# Altium PCB PCB_3U_DAC_no_BNC.PCBDOC (part 1 of 7)
Units mm, origin at the board's own origin, x right, y up, seen from the top; angles counter-clockwise.
Board outline 160 x 100 mm, 4 copper layers (TopLayer, Internal Plane 2, Signal Layer 1, BottomLayer), stack 1.563 mm thick; 706 components, 563 nets, 2139 pads, 736 vias.
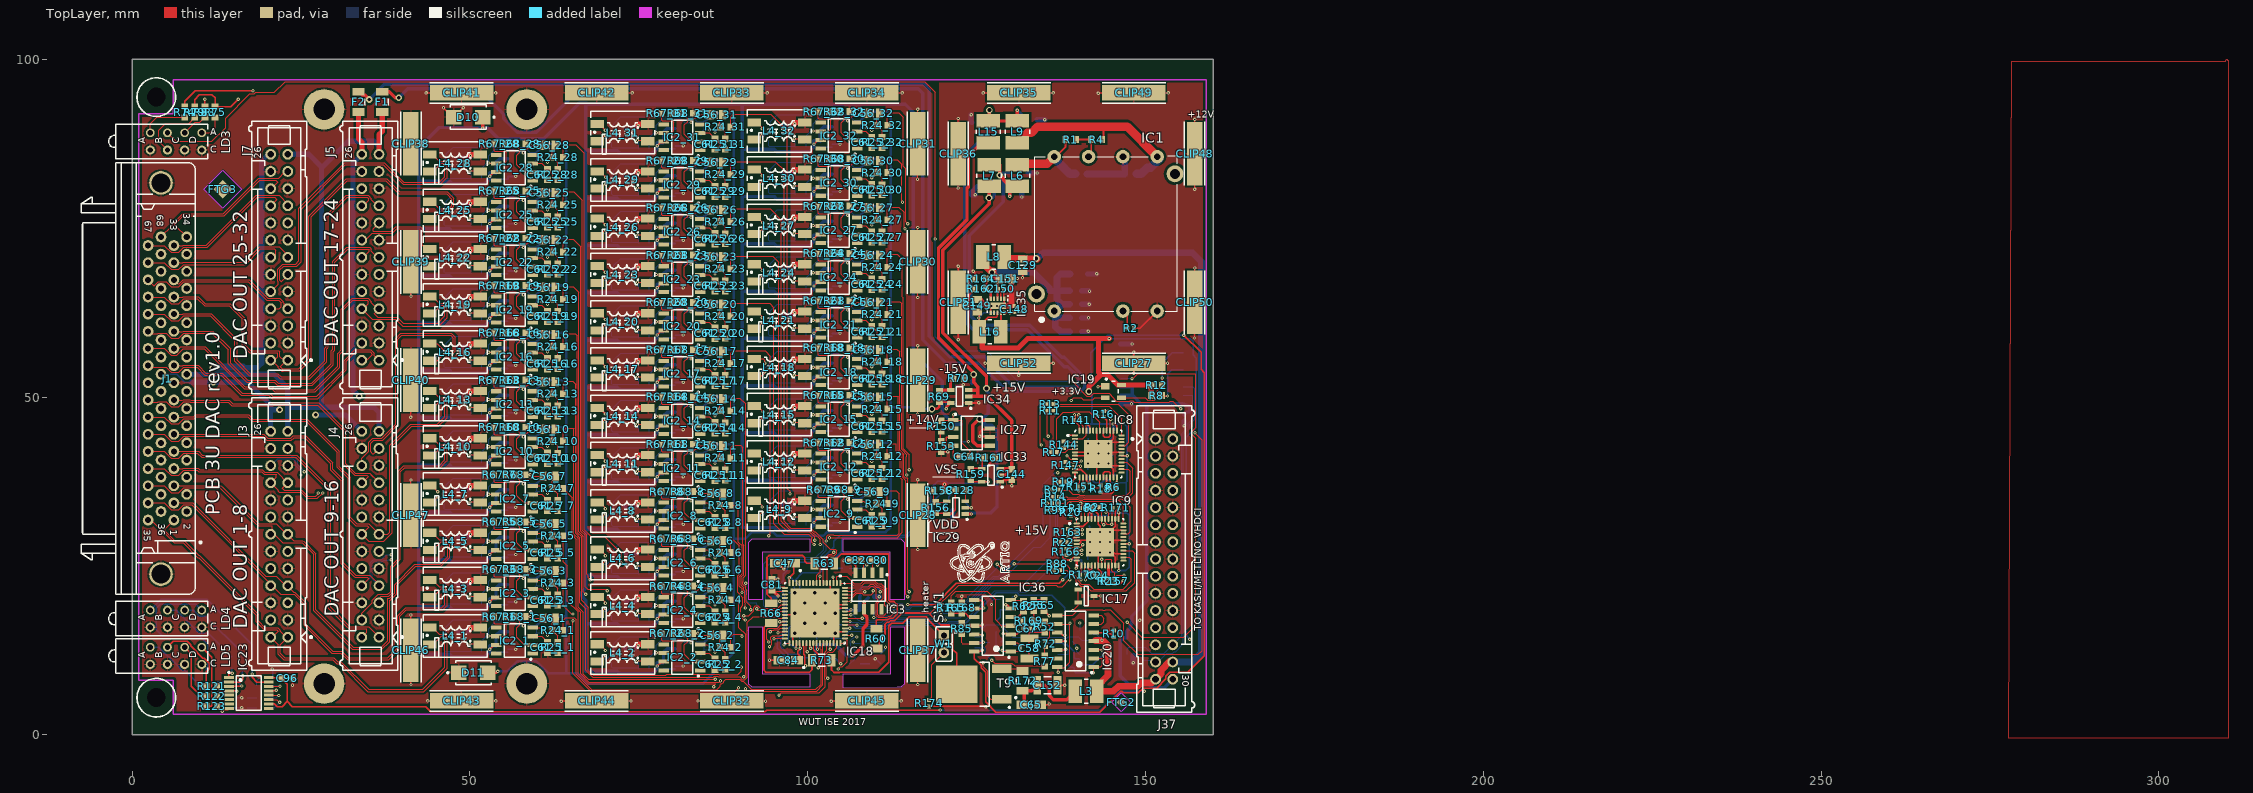
[diagram p0: TopLayer view]
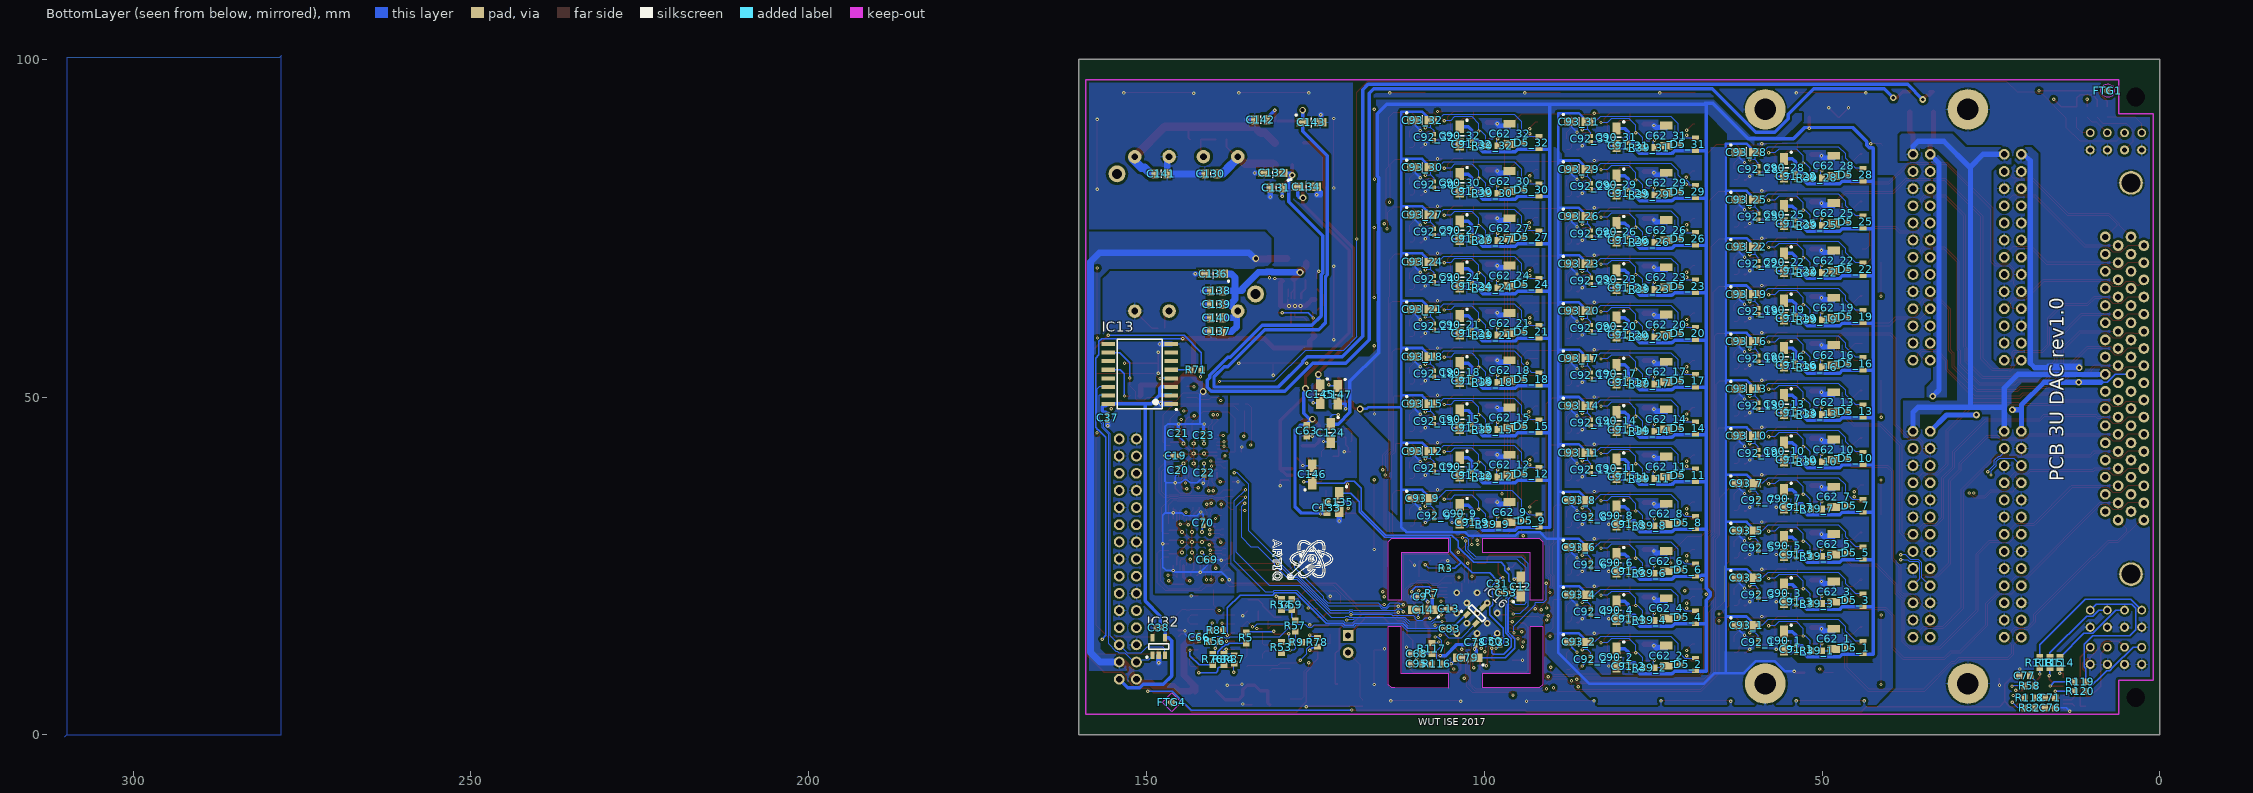
[diagram p1: BottomLayer view, seen from below]
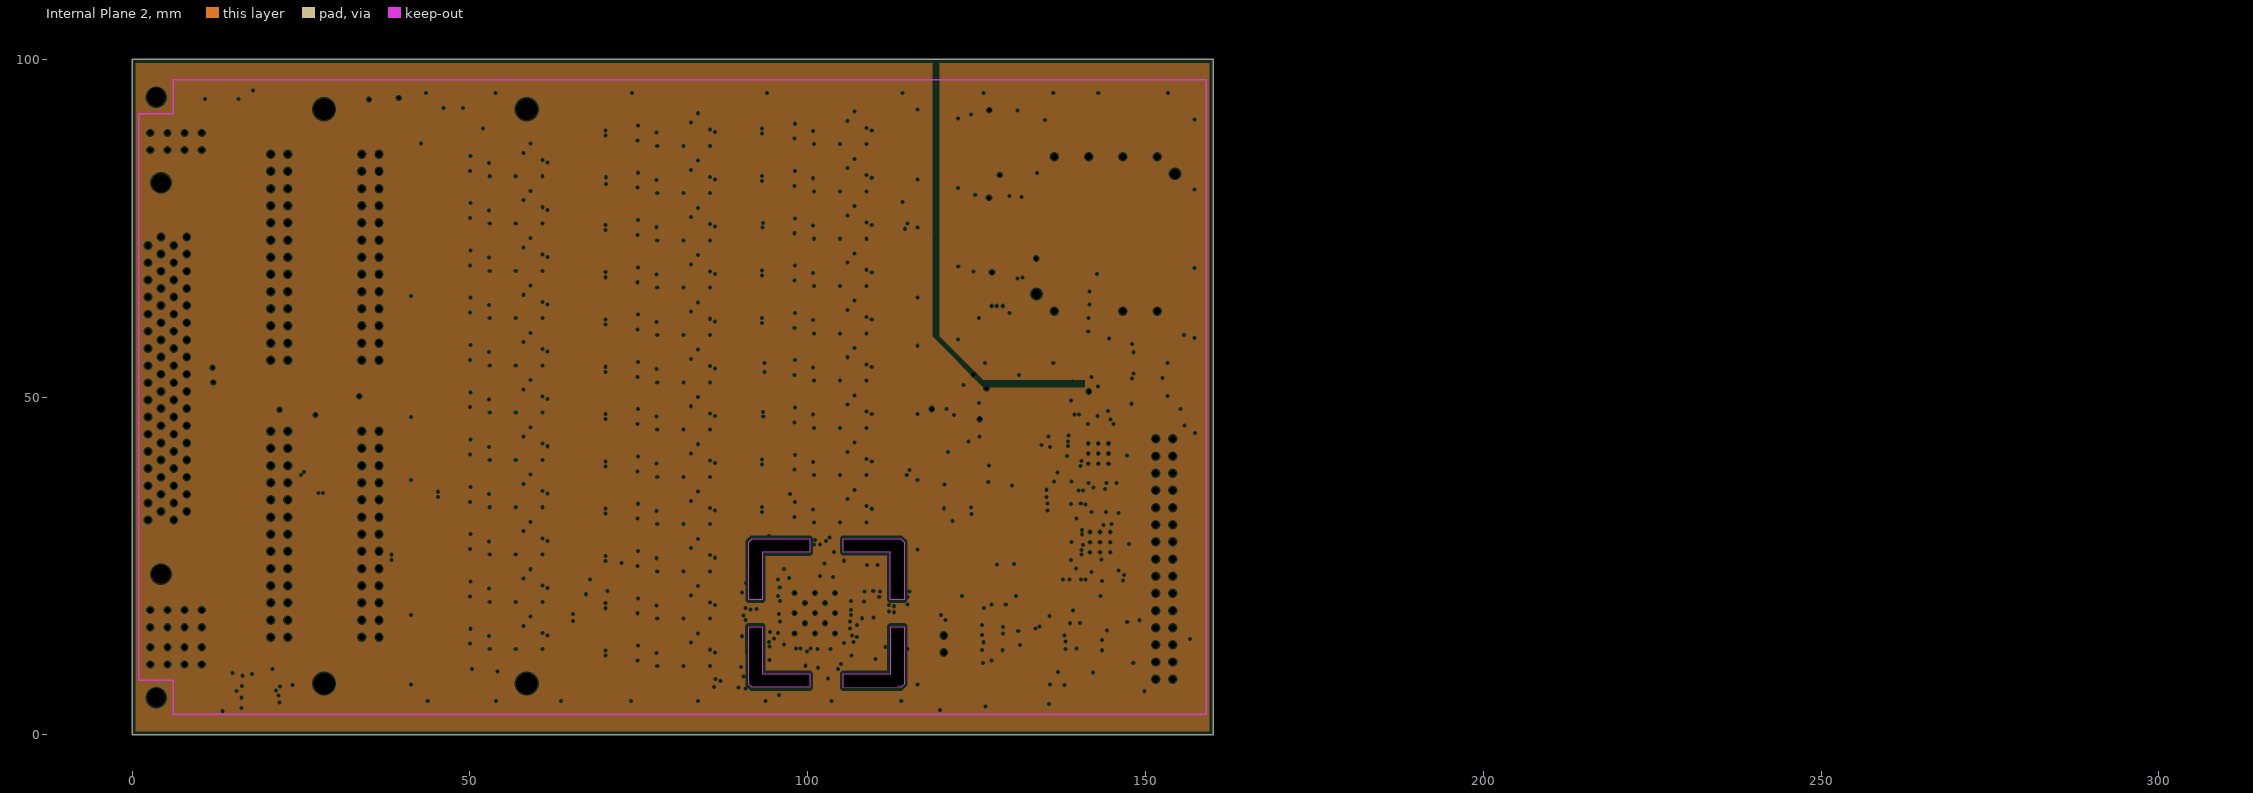
[diagram p2: Internal Plane 2, clearances drawn from the general rule]
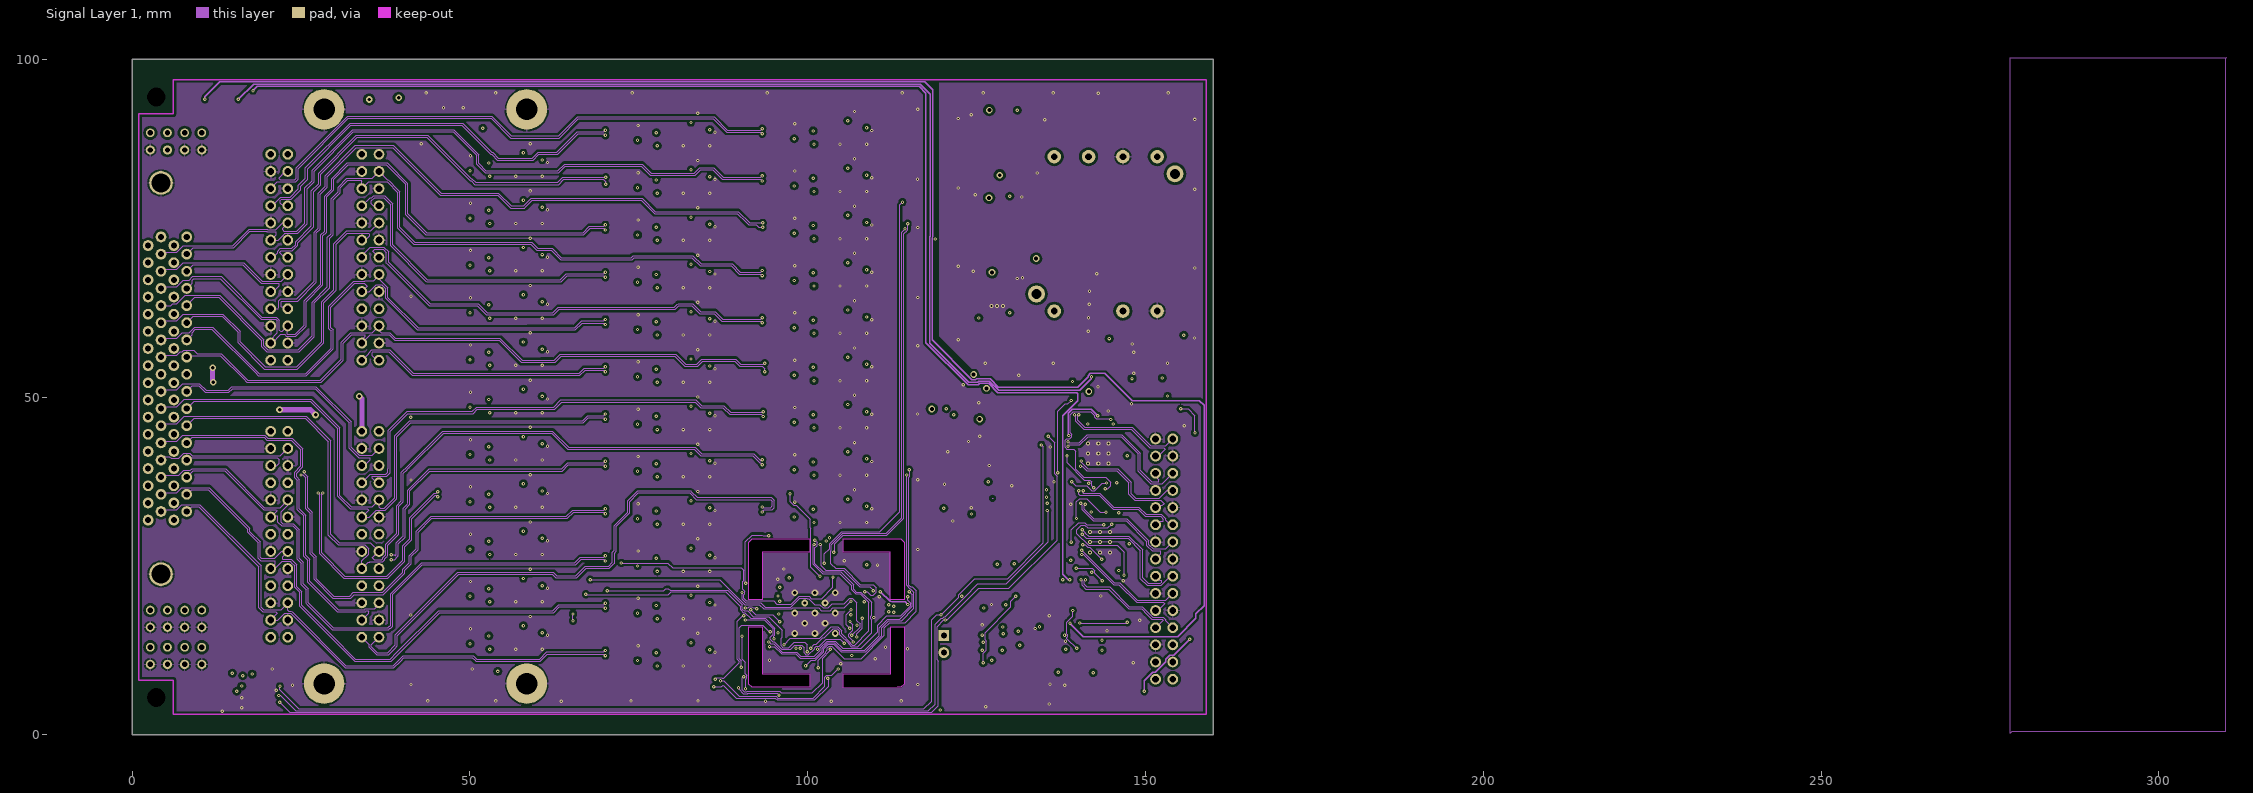
[diagram p3: Signal Layer 1]
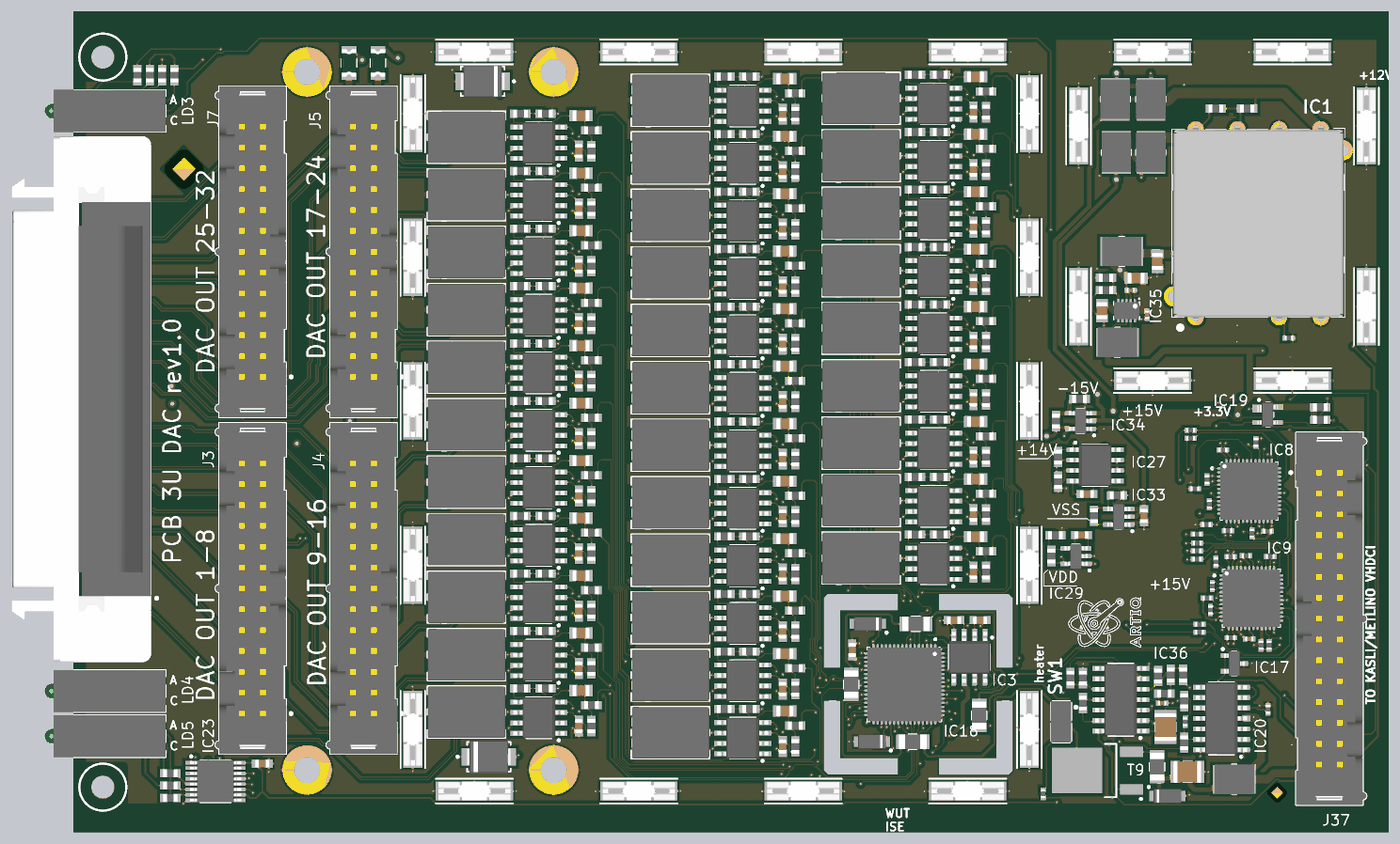
[diagram p10: 3D render of the assembled board from above, using the file's embedded part models]
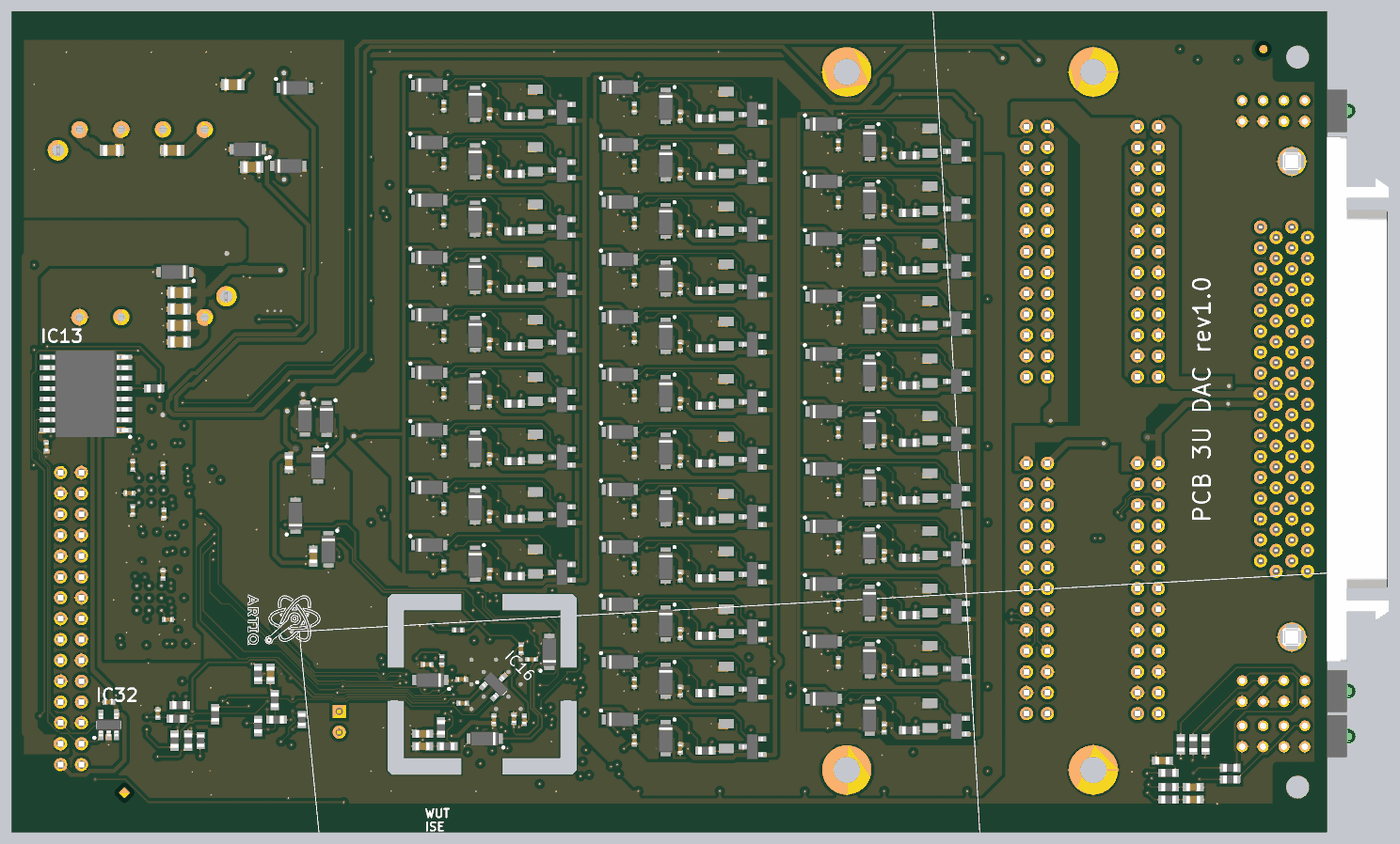
[diagram p11: 3D render of the assembled board from below, using the file's embedded part models]

## Layer stack, top to bottom
TopSolder: solder mask 0.0102, Solder Resist, Dk 3.5
TopLayer: signal copper 0.0356
Dielectric1: core 0.36, FR-4, Dk 4.8
Internal Plane 2: plane copper 0.036, net GNDP_2
Dielectric 3: prepreg 0.7, Dk 4.2
Signal Layer 1: signal copper 0.036
Dielectric 5: core 0.36, Dk 4.2
BottomLayer: signal copper 0.0356
BottomSolder: solder mask 0.0102, Solder Resist, Dk 3.5

## Board outline
0,0 159.989,0 159.995,0.005 159.995,50 160,50.005 160,100 159.995,100 0,100
cut-out: 100.263,27.021 93.263,27.021 93.263,20.021 91.263,20.021 91.263,28.031 91.263,28.531 91.763,29.031 92.263,29.031 100.263,29.042
cut-out: 112.247,20.031 112.247,27.031 105.247,27.031 105.247,29.031 113.257,29.031 113.757,29.031 114.257,28.531 114.257,28.031 114.268,20.031
cut-out: 105.263,9.031 112.263,9.031 112.263,16.031 114.263,16.031 114.263,8.021 114.263,7.521 113.763,7.021 113.263,7.021 105.263,7.01
cut-out: 93.273,16.031 93.273,9.031 100.273,9.031 100.273,7.031 92.263,7.031 91.763,7.031 91.263,7.531 91.263,8.031 91.252,16.031

## Design rules (kind name [scope] priority, off if disabled: settings)
Clearance Clearance_DIFF [(InDifferentialPairClass('All Differential Pairs')and IsTrack ) vs (InDifferentialPairClass('All Differential Pairs') and IsTrack  )] p1 off: gap=0.508 except(0.127: SMDPad-SMDPad SMDPad-THPad SMDPad-Via SMDPad-Fill SMDPad-Poly SMDPad-Region SMDPad-Text THPad-THPad THPad-Via THPad-Fill THPad-Poly THPad-Region THPad-Text Via-Via Via-Fill Via-Poly Via-Region Via-Text)
Clearance [All] p2: gap=0.127 except(0.381: Arc-Poly Track-Poly SMDPad-Poly THPad-Poly Via-Poly Fill-Poly Poly-Poly)
ComponentClearance [All] p1: gap=0 collisioncheckmode=3 verticalgap=2540 showdistances=FALSE
DiffPairsRouting [All] p1: maxlimit=0.152 minlimit=0.127 mostfreqgap=0.152 toplayer_minwidth=0.127 toplayer_maxwidth=0.152 toplayer_prefwidth=0.152 midlayer1_minwidth=0.127 midlayer1_maxwidth=0.152 midlayer1_prefwidth=0.152 bottomlayer_minwidth=0.127 bottomlayer_maxwidth=0.152 bottomlayer_prefwidth=0.152 maxuncoupledlength=12.7
FabricationTestPointUsage TestPointUsage [All] p1: valid=0 allowmultiple=FALSE
FabricationTestpoint Testpoint [All] p1: side=3 testpointundercomponent=TRUE minsize=1.016 maxsize=2.54 preferedsize=1.524 minholesize=0.508 maxholesize=1.016 preferedholesize=0.813 testpointgrid=0.025 allowsidetop=TRUE allowsidebottom=TRUE usegrid=TRUE gridtolerance=0
Height [All] p1: minheight=0 maxheight=40 prefheight=40
HoleSize [All] p1: absolutevalues=TRUE maxlimit=3.81 minlimit=0.025 maxpercent=80.000 minpercent=20.000
HoleToHoleClearance [All] p1: gap=0.025 allowstackedmicrovias=TRUE
MinimumSolderMaskSliver [All] p1: minsoldermaskwidth=0
PlaneClearance [All] p1: clearance=0.2
PlaneConnect [All] p1: planeconnectstyle=Direct reliefexpansion=0.508 reliefentries=4 reliefconductorwidth=0.254 reliefairgap=0.254
PolygonConnect PolygonConnect_pad [(InPadClass('All Pads'))] p1: connectstyle=Relief reliefconductorwidth=0.254 reliefentries=4 polygonreliefangle="90 Angle" airgapwidth=0.254
PolygonConnect [All] p2: connectstyle=Direct reliefconductorwidth=0.254 reliefentries=4 polygonreliefangle="45 Angle" airgapwidth=0.254
RoomDefinition U_Supply_DAC [InComponentClass('U_Supply_DAC')] p1 off: confinementstyle=ConfineIn formatcopy=TRUE lockcomponents=FALSE outline 162.5,56.5 124,56.5 124,1.5 162.5,1.5
RoomDefinition U_LVDS_IFC_DAC [InComponentClass('U_LVDS_IFC_DAC')] p2 off: confinementstyle=ConfineIn formatcopy=TRUE lockcomponents=FALSE outline 123,2 160,2 160,53 123,53
RoomDefinition U_Output_channel1 [InComponentClass('U_Output_channel1')] p3 off: confinementstyle=ConfineIn formatcopy=TRUE lockcomponents=FALSE outline 42.763,11.206 64.963,11.206 64.963,18.206 42.763,18.206
RoomDefinition U_Output_channel2 [InComponentClass('U_Output_channel2')] p4 off: confinementstyle=ConfineIn formatcopy=TRUE lockcomponents=FALSE outline 67.563,8.706 89.763,8.706 89.763,15.706 67.563,15.706
RoomDefinition U_Output_channel3 [InComponentClass('U_Output_channel3')] p5 off: confinementstyle=ConfineIn formatcopy=TRUE lockcomponents=FALSE outline 42.763,18.206 64.963,18.206 64.963,25.206 42.763,25.206
RoomDefinition U_Output_channel4 [InComponentClass('U_Output_channel4')] p6 off: confinementstyle=ConfineIn formatcopy=TRUE lockcomponents=FALSE outline 67.563,15.706 89.763,15.706 89.763,22.706 67.563,22.706
RoomDefinition U_Output_channel5 [InComponentClass('U_Output_channel5')] p7 off: confinementstyle=ConfineIn formatcopy=TRUE lockcomponents=FALSE outline 42.763,25.206 64.963,25.206 64.963,32.206 42.763,32.206
RoomDefinition U_Output_channel6 [InComponentClass('U_Output_channel6')] p8 off: confinementstyle=ConfineIn formatcopy=TRUE lockcomponents=FALSE outline 67.563,22.706 89.763,22.706 89.763,29.706 67.563,29.706
RoomDefinition U_Output_channel7 [InComponentClass('U_Output_channel7')] p9 off: confinementstyle=ConfineIn formatcopy=TRUE lockcomponents=FALSE outline 42.763,32.206 64.963,32.206 64.963,39.206 42.763,39.206
RoomDefinition U_Output_channel8 [InComponentClass('U_Output_channel8')] p10 off: confinementstyle=ConfineIn formatcopy=TRUE lockcomponents=FALSE outline 67.563,29.706 89.763,29.706 89.763,36.706 67.563,36.706
RoomDefinition U_Output_channel9 [InComponentClass('U_Output_channel9')] p11 off: confinementstyle=ConfineIn formatcopy=TRUE lockcomponents=FALSE outline 90.763,29.956 112.963,29.956 112.963,36.956 90.763,36.956
RoomDefinition U_Output_channel10 [InComponentClass('U_Output_channel10')] p12 off: confinementstyle=ConfineIn formatcopy=TRUE lockcomponents=FALSE outline 42.763,39.206 64.963,39.206 64.963,46.206 42.763,46.206
RoomDefinition U_Output_channel11 [InComponentClass('U_Output_channel11')] p13 off: confinementstyle=ConfineIn formatcopy=TRUE lockcomponents=FALSE outline 67.563,36.706 89.763,36.706 89.763,43.706 67.563,43.706
RoomDefinition U_Output_channel12 [InComponentClass('U_Output_channel12')] p14 off: confinementstyle=ConfineIn formatcopy=TRUE lockcomponents=FALSE outline 90.763,36.956 112.963,36.956 112.963,43.956 90.763,43.956
RoomDefinition U_Output_channel13 [InComponentClass('U_Output_channel13')] p15 off: confinementstyle=ConfineIn formatcopy=TRUE lockcomponents=FALSE outline 42.763,46.206 64.963,46.206 64.963,53.206 42.763,53.206
RoomDefinition U_Output_channel14 [InComponentClass('U_Output_channel14')] p16 off: confinementstyle=ConfineIn formatcopy=TRUE lockcomponents=FALSE outline 67.563,43.706 89.763,43.706 89.763,50.706 67.563,50.706
RoomDefinition U_Output_channel15 [InComponentClass('U_Output_channel15')] p17 off: confinementstyle=ConfineIn formatcopy=TRUE lockcomponents=FALSE outline 90.763,43.956 112.963,43.956 112.963,50.956 90.763,50.956
RoomDefinition U_Output_channel16 [InComponentClass('U_Output_channel16')] p18 off: confinementstyle=ConfineIn formatcopy=TRUE lockcomponents=FALSE outline 42.763,53.206 64.963,53.206 64.963,60.206 42.763,60.206
RoomDefinition U_Output_channel17 [InComponentClass('U_Output_channel17')] p19 off: confinementstyle=ConfineIn formatcopy=TRUE lockcomponents=FALSE outline 67.563,50.706 89.763,50.706 89.763,57.706 67.563,57.706
RoomDefinition U_Output_channel18 [InComponentClass('U_Output_channel18')] p20 off: confinementstyle=ConfineIn formatcopy=TRUE lockcomponents=FALSE outline 90.763,50.956 112.963,50.956 112.963,57.956 90.763,57.956
RoomDefinition U_Output_channel19 [InComponentClass('U_Output_channel19')] p21 off: confinementstyle=ConfineIn formatcopy=TRUE lockcomponents=FALSE outline 42.763,60.206 64.963,60.206 64.963,67.206 42.763,67.206
RoomDefinition U_Output_channel20 [InComponentClass('U_Output_channel20')] p22 off: confinementstyle=ConfineIn formatcopy=TRUE lockcomponents=FALSE outline 67.563,57.706 89.763,57.706 89.763,64.706 67.563,64.706
RoomDefinition U_Output_channel22 [InComponentClass('U_Output_channel22')] p23 off: confinementstyle=ConfineIn formatcopy=TRUE lockcomponents=FALSE outline 42.763,67.206 64.963,67.206 64.963,74.206 42.763,74.206
RoomDefinition U_Output_channel23 [InComponentClass('U_Output_channel23')] p24 off: confinementstyle=ConfineIn formatcopy=TRUE lockcomponents=FALSE outline 67.563,64.706 89.763,64.706 89.763,71.706 67.563,71.706
RoomDefinition U_Output_channel24 [InComponentClass('U_Output_channel24')] p25 off: confinementstyle=ConfineIn formatcopy=TRUE lockcomponents=FALSE outline 90.763,64.956 112.963,64.956 112.963,71.956 90.763,71.956
RoomDefinition U_Output_channel25 [InComponentClass('U_Output_channel25')] p26 off: confinementstyle=ConfineIn formatcopy=TRUE lockcomponents=FALSE outline 42.763,74.206 64.963,74.206 64.963,81.206 42.763,81.206
RoomDefinition U_Output_channel26 [InComponentClass('U_Output_channel26')] p27 off: confinementstyle=ConfineIn formatcopy=TRUE lockcomponents=FALSE outline 67.563,71.706 89.763,71.706 89.763,78.706 67.563,78.706
RoomDefinition U_Output_channel27 [InComponentClass('U_Output_channel27')] p28 off: confinementstyle=ConfineIn formatcopy=TRUE lockcomponents=FALSE outline 90.763,71.956 112.963,71.956 112.963,78.956 90.763,78.956
RoomDefinition U_Output_channel28 [InComponentClass('U_Output_channel28')] p29 off: confinementstyle=ConfineIn formatcopy=TRUE lockcomponents=FALSE outline 42.763,81.206 64.963,81.206 64.963,88.206 42.763,88.206
RoomDefinition U_Output_channel29 [InComponentClass('U_Output_channel29')] p30 off: confinementstyle=ConfineIn formatcopy=TRUE lockcomponents=FALSE outline 67.563,78.706 89.763,78.706 89.763,85.706 67.563,85.706
RoomDefinition U_Output_channel30 [InComponentClass('U_Output_channel30')] p31 off: confinementstyle=ConfineIn formatcopy=TRUE lockcomponents=FALSE outline 90.763,78.956 112.963,78.956 112.963,85.956 90.763,85.956
RoomDefinition U_Output_channel31 [InComponentClass('U_Output_channel31')] p32 off: confinementstyle=ConfineIn formatcopy=TRUE lockcomponents=FALSE outline 67.563,85.706 89.763,85.706 89.763,92.706 67.563,92.706
RoomDefinition U_Output_channel32 [InComponentClass('U_Output_channel32')] p33 off: confinementstyle=ConfineIn formatcopy=TRUE lockcomponents=FALSE outline 90.763,85.956 112.963,85.956 112.963,92.956 90.763,92.956
RoomDefinition U_Thermal_MGM [InComponentClass('U_Thermal_MGM')] p34 off: confinementstyle=ConfineIn formatcopy=TRUE lockcomponents=FALSE outline -0.737,73.206 138.763,73.206 138.763,100.206 -0.737,100.206
RoomDefinition U_Output_channel21 [InComponentClass('U_Output_channel21')] p35 off: confinementstyle=ConfineIn formatcopy=TRUE lockcomponents=FALSE outline 90.763,57.956 112.963,57.956 112.963,64.956 90.763,64.956
RoomDefinition U_DAC_32CH [InComponentClass('U_DAC_32CH')] p36 off: confinementstyle=ConfineIn formatcopy=TRUE lockcomponents=FALSE outline 112.624,27.102 92.888,27.102 92.888,8.28 112.624,8.28
RoomDefinition PCB_3U_DAC [InComponentClass('PCB_3U_DAC')] p37 off: confinementstyle=ConfineIn formatcopy=TRUE lockcomponents=FALSE outline 104.763,28.131 127.763,28.131 127.763,37.706 104.763,37.706
RoutingVias [All] p1: holewidth=0.2 width=0.5 viastyle="Through Hole" minholewidth=0.2 minwidth=0.5 maxholewidth=0.711 maxwidth=1.27
SilkToSilkClearance [All] p1: silktosilkclearance=0
SilkToSolderMaskClearance SilkscreenOverComponentPads [IsPad] p1: minsilkscreentomaskgap=0 clearancetoexposedcopper=TRUE
SolderMaskExpansion [All] p1: expansion=0.051
ViasUnderSMD [All] p1: allowed=FALSE
Width [All] p1: maxlimit=1.27 minlimit=0.127 preferedwidth=0.127
18 further rules are at their usual default settings.
